# Altium PCB tb212182557.PcbDoc
Units mm, origin at the board's own origin, x right, y up, seen from the top; angles counter-clockwise.
Board outline 55 x 36.92 mm, 2 copper layers (Top Layer, Bottom Layer); 91 components, 58 nets, 277 pads, 126 vias.
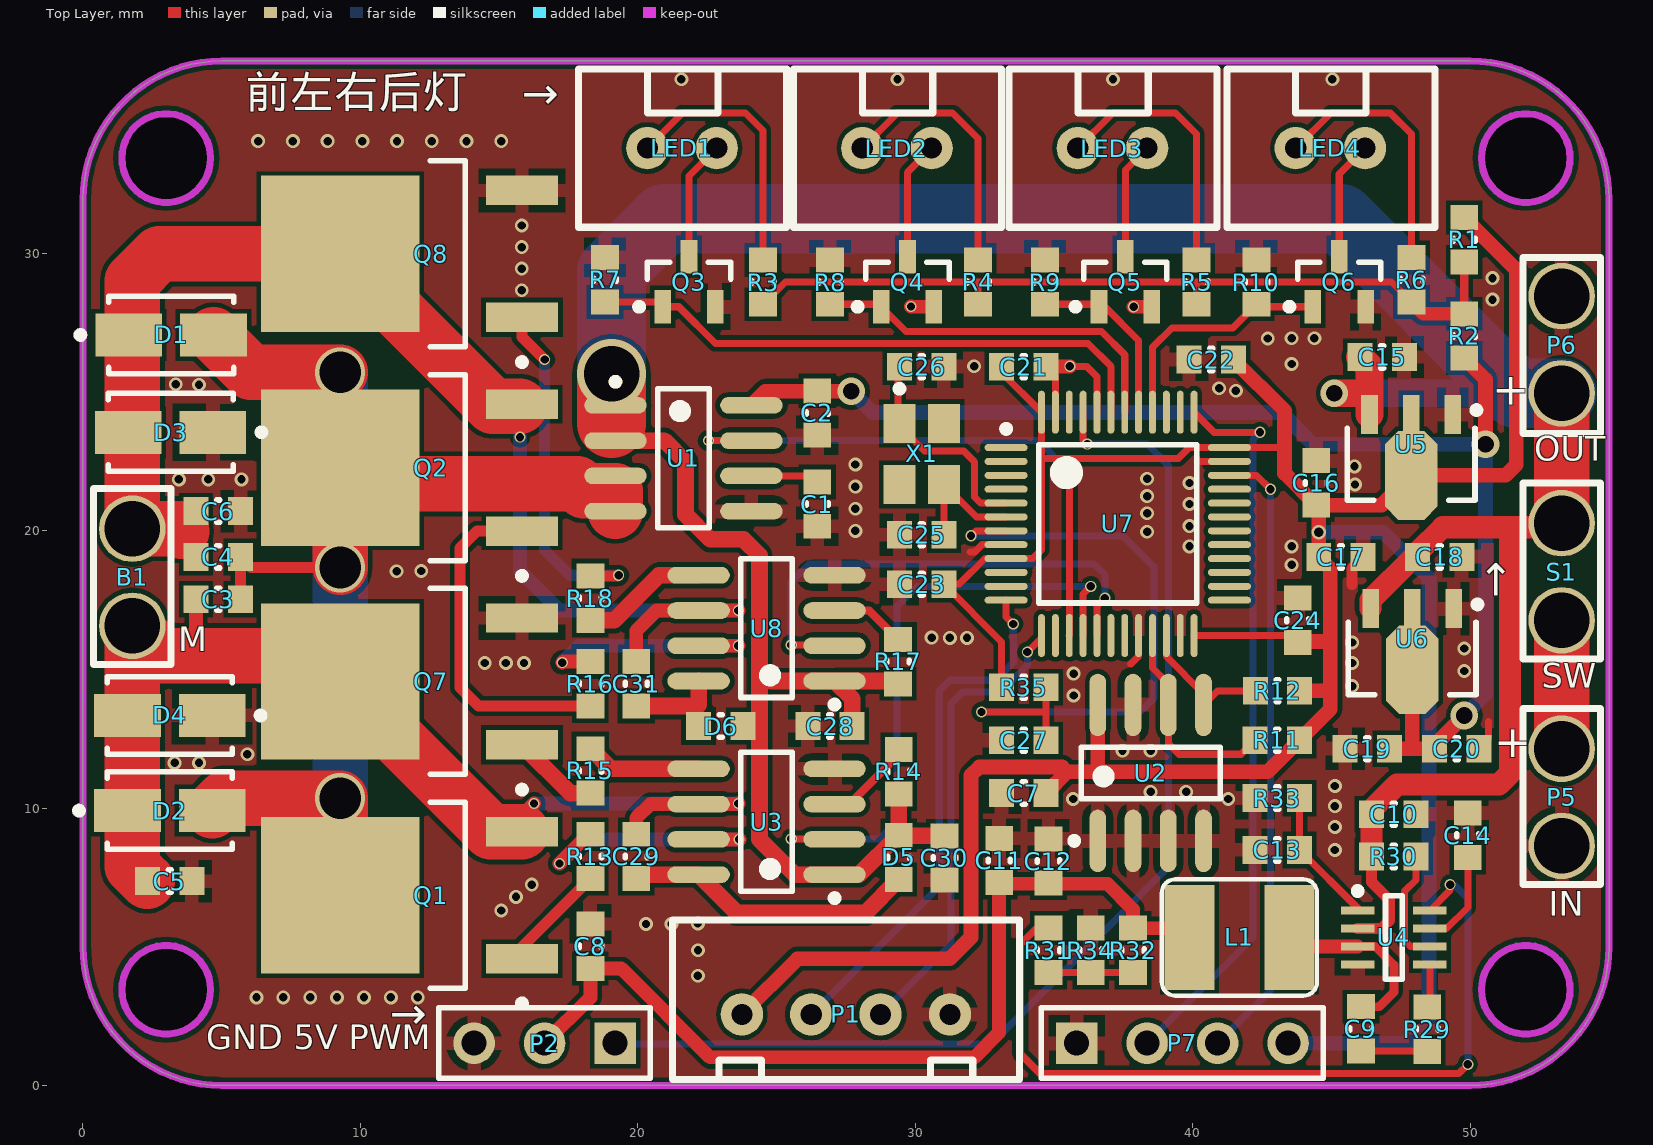
[diagram p0: Top Layer view]
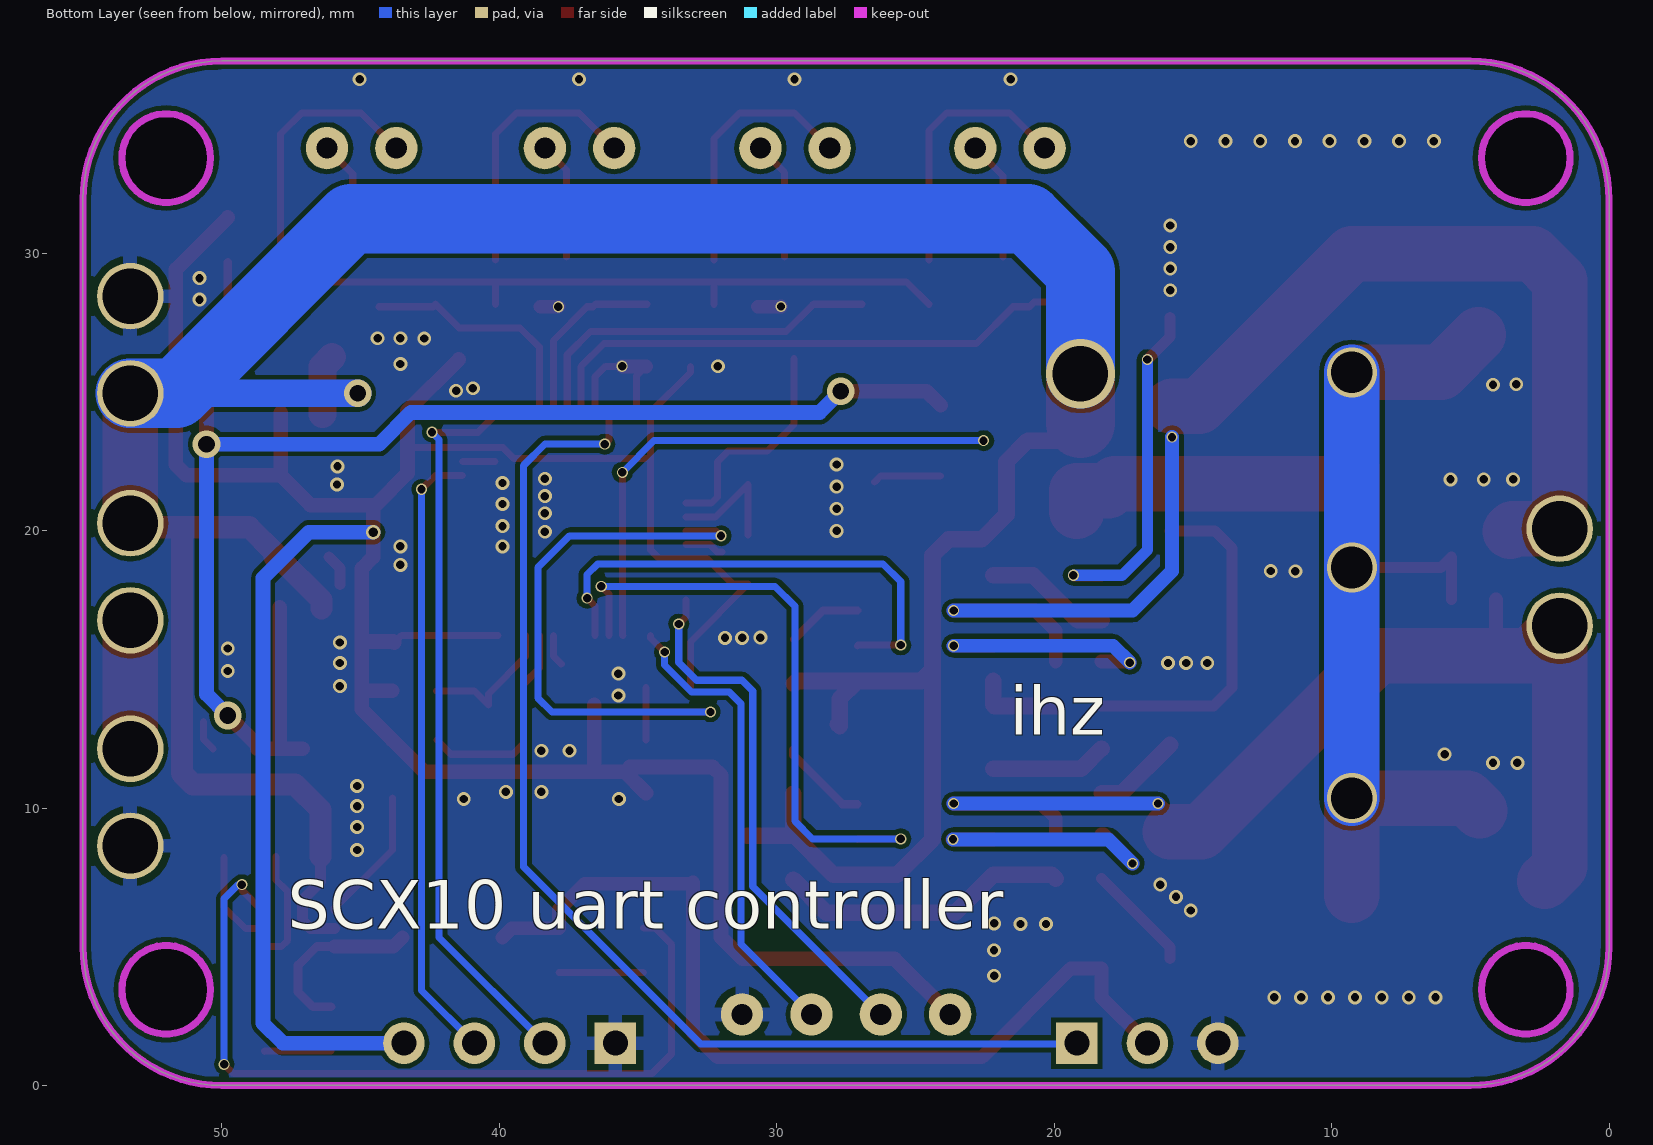
[diagram p1: Bottom Layer view, seen from below]

## Layer stack, top to bottom
Top Solder: solder mask 0.0102, Solder Resist, Dk 3.5
Top Layer: signal copper 0.0356
Dielectric 1: dielectric 0.32, FR-4, Dk 4.8
Bottom Layer: signal copper 0.0356
Bottom Solder: solder mask 0.0102, Solder Resist, Dk 3.5

## Board outline
5,0 cw(c5,5) 0,5 0,31.924 cw(c5,31.924) 5,36.924 50,36.924 cw(c50,31.924) 55,31.924 55,5 cw(c50,5) 50,0
cut-out: 52,31.824 cw(c52,33.424) 50.4,33.424 cw(c52,33.424) 52,35.024 cw(c52,33.424) 53.6,33.424 cw(c52,33.424)
cut-out: 3,31.824 cw(c3,33.424) 1.4,33.424 cw(c3,33.424) 3,35.024 cw(c3,33.424) 4.6,33.424 cw(c3,33.424)
cut-out: 50.4,3.451 ccw(c52,3.451) 52,1.851 ccw(c52,3.451) 53.6,3.451 ccw(c52,3.451) 52,5.051 ccw(c52,3.451)
cut-out: 3,1.851 cw(c3,3.451) 1.4,3.451 cw(c3,3.451) 3,5.051 cw(c3,3.451) 4.6,3.451 cw(c3,3.451)

## Design rules (kind name [scope] priority, off if disabled: settings)
Clearance Clearance_1 [All] p1: gap=0.17 ignorepadtopadclearanceinfootprint=FALSE
Clearance [All vs InPolygon] p2: gap=0.5 ignorepadtopadclearanceinfootprint=FALSE
PolygonConnect [All] p1: connectstyle=Relief reliefconductorwidth=0.5 reliefentries=4 polygonreliefangle="90 Angle" airgapwidth=0.254
RoutingVias [All] p1: holewidth=0.3 width=0.4 viastyle="Through Hole" minholewidth=0.2 minwidth=0.3 maxholewidth=5 maxwidth=5
SolderMaskExpansion [All] p1: expansion=0.102
Width [All] p1: maxlimit=3 minlimit=0.17 preferedwidth=0.254
30 further rules are at their usual default settings.

## Classes and differential pairs
component class SCX10: C21 C22 C23 C24 C25 C26 C27 P7 R35 U7 X1
component class power: C9 C10 C11 C12 C13 C14 C15 C16 C17 C18 C19 C20 L1 P5 P6 R29 R30 R31 R32 R33 R34 S1 U4 U5 U6
component class driver: B1 C1 C2 C3 C4 C5 C6 C7 C8 C28 C29 C30 C31 D1 D2 D3 D4 D5 D6 LED1 LED2 LED3 LED4 P1 P2 Q1 Q2 Q3 Q4 Q5 Q6 Q7 Q8 R1 R2 R3 R4 R5 R6 R7 R8 R9 R10 R11 R12 R13 R14 R15 R16 R17 R18 U1 U2 U3 U8

## Components (designator, comment, footprint, x,y, rotation, side; value= is the part's Value field where it differs from the comment)
B1 "Motor" 7.4V 1.778,16.566 r90 top
C1 "1nF" C0603 26.466,20.955 r90 top value=100pF
C2 "0.1uF" C0603 26.466,24.238 r90 top value=100pF
C3 "10pF" C0603 4.876,17.526 r0 top value=100pF
C4 "10pF" C0603 4.876,19.05 r0 top value=100pF
C5 "10pF" C0603 3.129,7.366 r180 top value=100pF
C6 "10pF" C0603 4.876,20.701 r180 top value=100pF
C7 "0.1uF" C0603 33.908,10.541 r0 top value=100pF
C8 "0.1uF" C0603 18.288,5.02 r270 top value=100pF
C9 "0.1uF" C0603 46.058,2.039 r270 top value=100pF
C10 "22uF" C0603 47.244,9.779 r180 top value=100pF
C11 "22uF" C0603 33.02,8.109 r270 top value=100pF
C12 "22uF" C0603 34.798,8.09 r270 top value=100pF
C13 "1nF" C0603 43.041,8.49 r0 top value=100pF
C14 "0.1uF" C0603 49.911,9.017 r270 top value=100pF
C15 "10uF" C0603 46.822,26.255 r180 top value=100pF
C16 "0.1uF" C0603 44.45,21.717 r270 top value=100pF
C17 "22uF" C0603 45.339,19.05 r180 top value=100pF
C18 "10uF" C0603 48.895,19.05 r180 top value=100pF
C19 "0.1uF" C0603 46.291,12.136 r0 top value=100pF
C20 "22uF" C0603 49.511,12.136 r180 top value=100pF
C21 "0.1uF" C0603 33.909,25.908 r180 top value=100pF
C22 "0.1uF" C0603 40.661,26.162 r0 top value=100pF
C23 "0.1uF" C0603 30.226,18.069 r0 top value=100pF
C24 "0.1uF" C0603 43.778,16.764 r270 top value=100pF
C25 "30pF" C0603 30.226,19.847 r0 top value=100pF
C26 "30pF" C0603 30.226,25.907 r180 top value=100pF
C27 "0.1uF" C0603 33.908,12.446 r0 top value=100pF
C28 "0.1uF" C0603 26.924,12.954 r180 top value=100pF
C29 "1nF" C0603 19.939,8.255 r90 top value=100pF
C30 "0.1uF" C0603 31.049,8.199 r270 top value=100pF
C31 "1nF" C0603 19.939,14.478 r90 top value=100pF
D1 "SS34" SMA 3.179,27.051 r0 top
D2 "SS34" SMA 3.129,9.906 r0 top
D3 "SS34" SMA 3.158,23.542 r180 top
D4 "SS34" SMA 3.129,13.335 r180 top
D5 "1N5819" C0603 29.398,8.219 r270 top
D6 "1N5819" C0603 22.987,12.954 r180 top
L1 "5.5uH" L0420 41.678,5.334 r90 top value=10mH
LED1 "F_LED" XH2.5-2P 21.59,33.782 r0 top
LED2 "L_LED" XH2.5-2P 29.337,33.782 r0 top
LED3 "R_LED" XH2.5-2P 37.104,33.782 r0 top
LED4 "B_LED" XH2.5-2P 44.958,33.782 r0 top
P1 "Header 4" XH2.5-4P 27.496,2.562 r0 top
P2 "Header 3" HDR1X3 19.177,1.524 r180 top
P5 "7.4V" 7.4V 53.292,8.636 r90 top
P6 "7.4V" 7.4V 53.292,28.448 r270 top
P7 "SW" HDR1X4 35.814,1.524 r0 top
Q1 "NMOS" TO-252 12.546,6.858 r180 top
Q2 "NMOS" TO-252 12.546,22.267 r180 top
Q3 "NPN" SOT23-3 21.843,28.967 r90 top
Q4 "NPN" SOT23-3 29.718,28.967 r90 top
Q5 "NPN" SOT23-3 37.568,28.967 r90 top
Q6 "NPN" SOT23-3 45.278,28.967 r90 top
Q7 "NMOS" TO-252 12.546,14.563 r180 top
Q8 "NMOS" TO-252 12.546,29.972 r180 top
R1 "0R" R0603 49.784,30.48 r90 top value=1K
R2 "0R/NC" R0603 49.784,27.013 r90 top value=1K
R3 "2K" R0603 24.511,28.956 r90 top value=1K
R4 "2K" R0603 32.258,28.956 r90 top value=1K
R5 "2K" R0603 40.135,28.956 r90 top value=1K
R6 "2K" R0603 47.879,29.044 r90 top value=1K
R7 "10K" R0603 18.815,29.044 r90 top value=1K
R8 "10K" R0603 26.924,28.956 r90 top value=1K
R9 "10K" R0603 34.674,28.956 r90 top value=1K
R10 "10K" R0603 42.291,28.956 r90 top value=1K
R11 "10K" R0603 43.041,12.446 r0 top value=1K
R12 "10K" R0603 43.053,14.224 r0 top value=1K
R13 "10R" R0603 18.288,8.255 r270 top value=1K
R14 "100K" R0603 29.398,11.305 r90 top value=1K
R15 "10R" R0603 18.288,11.336 r270 top value=1K
R16 "10R" R0603 18.288,14.478 r270 top value=1K
R17 "100K" R0603 29.376,15.278 r90 top value=1K
R18 "10R" R0603 18.288,17.564 r90 top value=1K
R29 "20R" R0603 48.451,2.033 r270 top value=1K
R30 "100K" R0603 47.244,8.255 r180 top value=1K
R31 "20K" R0603 34.798,4.869 r270 top value=1K
R32 "40.2K" R0603 37.846,4.869 r270 top value=1K
R33 "75K" R0603 43.041,10.357 r180 top value=1K
R34 "7.5K" R0603 36.322,4.869 r270 top value=1K
R35 "10K" R0603 33.909,14.351 r180 top value=1K
S1 "SW-PB" 7.4V 53.292,16.764 r90 top
U1 "ACS712" SOP-8 21.64,22.606 r0 top
U2 "24C02" SOP-8 38.481,11.266 r90 top
U3 "IR2104" SOP-8 24.638,9.506 r180 top
U4 "MP2315" TSOT23-8 47.244,5.334 r0 top
U5 "AMS1117-3.3V" SOT-89 47.87,23.114 r270 top
U6 "AMS1117-5V" SOT-89 47.906,16.111 r270 top
U7 "STM32F103C8T6" STM-LQFP48-L 37.296,20.24 r0 top
U8 "IR2104" SOP-8 24.638,16.483 r180 top
X1 "8M" XTAL-8M 30.226,22.762 r270 top

## Footprints (in the part's own frame and the unit in brackets; to place one, negate y for a bottom-side part, rotate by r counter-clockwise, add the part's x,y. Pads: shape width x height; smd on the part's side, far side on the other; paste and mask are expansions set on the pad)
7.4V [mm]
  round 2.4 hole 2: 1(0,0) 2(3.5,0)
  silkscreen extent -1.4,-1.4 4.95,1.4
C0603 [mm]
  rect 0.9x1 smd: 1(-0.8,0) 2(0.8,0)
  silkscreen extent -0.05,-0.4 0.05,0.4, body extent -0.87,-0.48 0.88,0.47, height 1
HDR1X3 [mm] "Connector; Header; 3 Position"
  rect 1.5x1.5 hole 0.9: 1(0,0)
  round 1.5 hole 0.9: 2(2.54,0) 3(5.08,0)
  silkscreen extent -1.27,-1.27 6.35,1.27
HDR1X4 [mm] "Connector; Header; 4 Position"
  rect 1.5x1.5 hole 0.9: 1(0,0)
  round 1.5 hole 0.9: 2(2.54,0) 3(5.08,0) 4(7.62,0)
  silkscreen extent -1.27,-1.27 8.89,1.27
L0420 [mm]
  rect 3.8x1.8 smd: 1(0,-1.8) 2(0,1.8)
  silkscreen extent -2.1,-2.8 2.1,2.8
R0603 [mm]
  rect 0.9x1 smd: 1(-0.8,0) 2(0.8,0)
  silkscreen extent -0.05,-0.4 0.05,0.4, body extent -0.85,-0.47 0.85,0.47, height 0.6
SMA [mm] "DO-214AC, 2-Leads, Body 4.5x2.79mm, IPC Medium Density"
  rect 2.4x1.55 smd: 1(-1.525,0) 2(1.525,0)
  silkscreen extent -3.4,-1.4 2.25,1.4, body extent -2.25,-1.4 2.25,1.39, height 2.29
SOP-8 [mm]
  oval 2.25x0.6 smd: 1(-2.45,1.905) 2(-2.45,0.635) 3(-2.45,-0.635) 4(-2.45,-1.905) 5(2.45,-1.905) 6(2.45,-0.635) 7(2.45,0.635) 8(2.45,1.905)
  silkscreen extent -2.57,-2.5 0.93,2.88, body extent -2,-2.5 2,2.5, height 1.95
SOT23-3 [mm]
  rect 1.2x0.6 smd: 1(-0.9,0.95) 2(-0.9,-0.95) 3(0.9,0)
  silkscreen extent -1.02,-1.5 0.7,1.92, body extent -0.7,-1.52 0.7,1.52, height 1.12
SOT-89 [mm]
  rect 1.4x0.6 smd: 1(-1.075,1.5) 3(-1.075,-1.5)
  rect 1.3x0.6 smd: 2(-1.125,0)
  oct 3.2x1.9 smd: 4(1.125,0)
  silkscreen extent -1.35,-2.3 2.02,2.48, body extent -0.58,-2.3 2.02,2.3, height 1.6
STM-LQFP48-L [mm]
  oval 1.55x0.25 smd: 1(-4.025,2.75) 2(-4.025,2.25) 3(-4.025,1.75) 4(-4.025,1.25) 5(-4.025,0.75) 6(-4.025,0.25) 7(-4.025,-0.25) 8(-4.025,-0.75) 9(-4.025,-1.25) 10(-4.025,-1.75) 11(-4.025,-2.25) 12(-4.025,-2.75) 25(4.025,-2.75) 26(4.025,-2.25) 27(4.025,-1.75) 28(4.025,-1.25) 29(4.025,-0.75) 30(4.025,-0.25) 31(4.025,0.25) 32(4.025,0.75) 33(4.025,1.25) 34(4.025,1.75) 35(4.025,2.25) 36(4.025,2.75)
  oval 0.25x1.55 smd: 13(-2.75,-4.025) 14(-2.25,-4.025) 15(-1.75,-4.025) 16(-1.25,-4.025) 17(-0.75,-4.025) 18(-0.25,-4.025) 19(0.25,-4.025) 20(0.75,-4.025) 21(1.25,-4.025) 22(1.75,-4.025) 23(2.25,-4.025) 24(2.75,-4.025) 37(2.75,4.025) 38(2.25,4.025) 39(1.75,4.025) 40(1.25,4.025) 41(0.75,4.025) 42(0.25,4.025) 43(-0.25,4.025) 44(-0.75,4.025) 45(-1.25,4.025) 46(-1.75,4.025) 47(-2.25,4.025) 48(-2.75,4.025)
  silkscreen extent -4.15,-2.85 2.85,3.55, body extent -3.5,-3.5 3.5,3.5, height 1.6
TO-252 [mm]
  rect 2.6x1.06 smd: 1(-3.275,2.286) 2(-3.275,-2.286)
  rect 5.7x5.632 smd: 3(3.275,0)
  silkscreen extent -3.4,-3.35 0.03,4.02, body extent -3.86,-3.35 6.05,3.35, height 2.39
TSOT23-8 [mm]
  rect 1.2x0.3 smd: 1(-1.3,0.975) 2(-1.3,0.325) 3(-1.3,-0.325) 4(-1.3,-0.975) 5(1.3,-0.975) 6(1.3,-0.325) 7(1.3,0.325) 8(1.3,0.975)
  silkscreen extent -1.42,-1.5 0.3,1.8, body extent -1.4,-1.5 1.4,1.5, height 1
XH2.5-2P [mil]
  round 60 hole 30: 1(-49.21,0) 2(49.21,0)
  silkscreen extent -147,-112 149,112, body extent -109,-65 116,85, height 236
XH2.5-4P [mil]
  round 60 hole 30: 1(-147.64,0) 2(-49.21,0) 3(49.21,0) 4(147.64,0)
  silkscreen extent -246,-93 246,134, body extent -244,-65 248,85, height 236
XTAL-8M [mm]
  rect 1.4x1.15 smd: 1(-1.1,-0.8) 2(1.1,-0.8) 3(1.1,0.8) 4(-1.1,0.8)
  silkscreen extent -2.47,-0.92 -2.23,-0.67, body extent -1.6,-1.25 1.6,1.25, height 0.6

## Part data
B1: "Motor, General Kind", LatestRevisionDate=17-Jul-2002, LatestRevisionNote="Re-released for DXP Platform.", PackageDescription="Capacitor (Radial); 2 Leads", PackageReference=RB5-10.5, Published=24-Mar-1999, Publisher="Altium Limited"
C1 C2 C3 C4 C5 C6 C7 C8 C9 C10 C11 C12 C13 C14 C15 C16 C17 C18 C19 C20 C21 C22 C23 C24 C25 C26 C27 C28 C29 C30 C31: library part Cap, "Capacitor", LatestRevisionDate=17-Jul-2002, LatestRevisionNote="Re-released for DXP Platform.", PackageDescription="Radial Cap, Thru-Hole; 2 Leads; 0.3 in Pin Spacing", PackageReference=RAD-0.3, Published=8-Jun-2000, Publisher="Altium Limited"
D1 D2 D3 D4 D5 D6: library part "Diode 1N4007", "1 Amp General Purpose Rectifier", Code_JEDEC=DO-204-AL, ComponentLink1Description="Manufacturer Link", ComponentLink1URL=http://www.fairchildsemi.com/, ComponentLink2Description=Datasheet, ComponentLink2URL=http://www.fairchildsemi.com/ds/1N%2F1N4001.pdf, DatasheetVersion=1998, LatestRevisionDate=17-Jul-2002, LatestRevisionNote="Re-released for DXP Platform.", PackageDescription="Diode, Axial; Body 5.2 x 2.7 mm (LxDia. max), Lead Dia. 0.86 mm (max)", PackageReference=DO-41, PackageVersion=Aug-1999, Published=8-Jun-2000, Publisher="Altium Limited"
L1: library part Inductor, "Inductor", Code_IEC=1005, Code_JEITA=0402, LatestRevisionDate=29-May-2009, LatestRevisionNote="IPC-7351 Footprint Added.", PackageDescription="Chip Inductor", PackageReference=0402-A, Published=8-Jun-2000, Publisher="Altium Limited"
LED1 LED2 LED3 LED4 P5 P6: library part "Header 2", "Header, 2-Pin", LatestRevisionDate=17-Jul-2002, LatestRevisionNote="Re-released for DXP Platform.", Publisher="Altium Limited"
P1: "Header, 4-Pin", LatestRevisionDate=17-Jul-2002, LatestRevisionNote="Re-released for DXP Platform.", Publisher="Altium Limited"
P2: "Header, 3-Pin", LatestRevisionDate=17-Jul-2002, LatestRevisionNote="Re-released for DXP Platform.", Publisher="Altium Limited"
P7: library part "Header 4", "Header, 4-Pin", LatestRevisionDate=17-Jul-2002, LatestRevisionNote="Re-released for DXP Platform.", Publisher="Altium Limited"
R1 R2 R3 R4 R5 R6 R7 R8 R9 R10 R11 R12 R13 R14 R15 R16 R17 R18 R29 R30 R31 R32 R33 R34 R35: library part Res2, "Resistor", LatestRevisionDate=17-Jul-2002, LatestRevisionNote="Re-released for DXP Platform.", PackageDescription="Axial Device, Thru-Hole; 2 Leads; 0.4 in Pin Spacing", PackageReference=AXIAL-0.4, Published=8-Jun-2000, Publisher="Altium Limited"
S1: "Switch", LatestRevisionDate=17-Jul-2002, LatestRevisionNote="Re-released for DXP Platform.", PackageDescription="Switch; 2 Leads", PackageReference=SPST-2, Published=24-Mar-1999, Publisher="Altium Limited"
U5 U6: library part AMS1117
X1: library part XTAL-8M

## Via types
v1: diameter 0.5, hole 0.3, Top Layer to Bottom Layer, 89 vias
v2: diameter 0.4, hole 0.3, Top Layer to Bottom Layer, 28 vias
v3: diameter 1, hole 0.6, Top Layer to Bottom Layer, 4 vias
v4: diameter 1.8, hole 1.5, Top Layer to Bottom Layer, 3 vias
v5: diameter 2.5, hole 2, Top Layer to Bottom Layer, 1 vias
v6: diameter 0.53, hole 0.35, Top Layer to Bottom Layer, 1 vias

## Nets (pads, with @x,y where several pads share a name; then routed paths per layer and width w, separated by ;. In a path a pad name is that pad's centre, name@x,y a point inside that pad or via, vN(x,y) a via of type N, cw(c..) or ccw(c..) an arc to the next point about the centre after c; other vN are vias at no path point)
3.3V: C7.2 C16.2 C17.2 C21.2 C22.2 C23.2 C24.2 P1.1 P7.4 R1.2 R11.2 R12.2 R35.2 U2.8 U5.2 U5.4 U7.9 U7.24 U7.36 U7.48 | length 123.6
  Top Layer w0.254: R35.2 33.109,15.986 C23.2 31.582,18.069 32.503,18.99 U7.9 34.23,18.99 34.546,19.306 34.546,22.606 ; C21.2 33.109,25.702 U7.48 34.546,22.606 ; U7.24 43.527,16.215 C24.2 ; 43.307,22.987 43.304,22.99 U7.36 39.87,22.99 39.475,22.595 34.557,22.595 34.546,22.606
  Top Layer w0.53: P1.1 25.755,4.572 31.242,4.572 32.004,5.334 32.004,11.176 32.304,11.476 35.297,11.476 35.47,11.303 ; C7.2 35.47,11.303 ; U2.8 36.576,11.303 ; C22.2 43.307,24.316 43.307,22.987 43.307,22.06 C16.2 ; C24.2 43.816,16.002 44.958,16.002 ; R12.2 44.958,14.224 ; U5.2 U5.4 ; R1.2 51.657,29.407 51.657,22.367 51.279,21.989 U5.4 ; 35.47,11.303 36.576,11.303 ; 36.576,11.303 42.698,11.303 R11.2 44.958,13.563 44.958,14.224 ; C16.2 44.539,20.828 v6(44.539,19.939) C17.2 44.958,18.631 44.958,16.002 ; C16.2 46.798,20.917 U5.4 ; 44.958,14.224 44.958,16.002
  Bottom Layer w0.53: P7.4 47.79,1.524 48.514,2.248 48.514,18.288 46.863,19.939 v6(44.539,19.939)
5V: C2.2 C19.2 C20.2 R2.1 U1.8 U6.2 U6.4 | length 49.3
  Top Layer w0.53: U1.8 24.598,25.019 v3(27.686,25.019) ; C19.2 47.901,12.136 ; U6.2 U6.4 47.906,12.142 47.901,12.136 ; v3(49.784,13.335) 48.711,12.262 C20.2 47.901,12.136 ; R2.1 50.546,25.451 v3(50.546,23.114)
  Bottom Layer w0.53: v3(27.686,25.019) 28.448,24.257 43.18,24.257 44.323,23.114 v3(50.546,23.114) 50.546,14.097 v3(49.784,13.335)
7.4V: C10.2 C15.2 C18.2 C28.1 C30.1 D5.1 D6.1 P6.2 R14.1 R17.1 R30.2 S1.2 U1.1 U1.2 U3.1 U4.2 U5.3 U6.3 U8.1 | length 120.7
  Top Layer w0.4: U4.2 46.807,5.659 47.091,5.943 47.091,6.692 46.444,7.339 R30.2
  Top Layer w0.6: U1.2 20.955,23.241 21.717,22.479 21.717,20.574 22.606,19.685 23.808,19.685 24.384,19.109 24.384,14.986 ; C28.1@27.795,13.025 C28.1 27.724,13.942 U8.1 ; R17.1 29.276,14.578 U8.1 ; R14.1 D5.1 ; C30.1 29.417,8.999 D5.1 ; 24.384,14.986 24.384,8.871 25.654,7.601 U3.1 27.966,7.601 29.383,9.019 D5.1 ; 24.384,14.986 24.792,14.578 U8.1
  Top Layer w0.8: U6.3 46.406,17.492 47.964,19.05 C18.2 48.095,19.206 49.009,20.12 51.435,20.12 ; R30.2 C10.2 46.444,9.935 47.358,10.849 51.034,10.849 51.435,11.25 51.435,20.12 ; S1.2 53.292,20.12 51.435,20.12
  Top Layer w1: v3(45.099,24.948) 46.125,24.948 ; C15.2 46.37,25.907 U5.3
  Top Layer w2: S1.2 P6.2
  Top Layer w2.5: 19.05,23.862 v5(19.05,25.654)
  Bottom Layer w1: v3(45.099,24.948) 51.633,24.948
  Bottom Layer w2.5: v5(19.05,25.654) 19.05,29.337 20.955,31.242 45.339,31.242 51.633,24.948 P6.2
B_LED: Q3.1 R7.1 U7.43 | length 20.8
  Top Layer w0.254: R7.1 20.716,28.244 Q3.1 21.473,28.067 22.794,26.746 36.22,26.746 37.046,25.92 U7.43
CH1: U3.2 U7.16 | length 22.6
  Top Layer w0.254: v2(25.527,8.89) 27.069,8.89 U3.2 ; U7.16 36.046,17.714 v2(36.322,17.99)
  Bottom Layer w0.254: v2(25.527,8.89) 28.702,8.89 29.337,9.525 29.337,17.272 30.055,17.99 v2(36.322,17.99)
CH2: U7.17 U8.2 | length 17.9
  Top Layer w0.254: v2(25.527,15.875) 27.061,15.875 U8.2 ; U7.17 36.546,17.28 v2(36.83,17.564)
  Bottom Layer w0.254: v2(25.527,15.875) 25.527,18.161 26.162,18.796 36.449,18.796 36.83,18.415 v2(36.83,17.564)
CH3: U7.18
CH4: U7.19
F_LED: Q6.1 R10.1 U7.40 | length 8.8
  Top Layer w0.254: U7.40 38.546,26.608 39.243,27.305 41.44,27.305 R10.1 42.38,28.067 Q6.1
GND: C1.1 C2.1 C5.1 C6.1 C7.1 C8.1 C10.1 C11.1 C12.1 C13.1 C14.1 C15.1 C16.1 C17.1 C18.1 C19.1 C20.1 C21.1 C22.1 C23.1 C24.1 C25.1 C26.1 C27.1 C28.2 C30.2 D3.1 D4.1 P1.4 P2.3 P5.1 P6.1 P7.1 Q3.2 Q4.2 Q5.2 Q6.2 Q7.2 Q8.2 R7.2 R8.2 R9.2 R10.2 R33.2 R34.1 U1.5 U2.1 U2.2 U2.3 U2.4 U2.7 U3.4 U4.4 U5.1 U6.1 U7.8 U7.20 U7.23 U7.35 U7.44 U7.47 U8.4 | length 12.5
  Top Layer w0.254: 31.97,19.235 32.149,19.235 32.404,19.49 U7.8 ; C21.1 35.046,25.571 U7.47 ; v2(35.568,25.92) 36.169,25.92 36.546,25.543 U7.44 ; 37.763,15.185 38.046,15.468 U7.20 ; 40.159,22.49 U7.35 ; C20.1 50.652,12.477 50.652,13.116
  Top Layer w0.4: 45.738,18.056 45.738,18.649 C17.1
  Top Layer w0.5: v2(29.845,28.073) 29.851,28.067 Q4.2 ; C21.1 35.556,25.908 v2(35.568,25.92) ; v2(37.866,28.067) Q5.2
  other v1: 6.251,3.175 7.22,3.175 8.189,3.175 9.158,3.175 10.127,3.175 11.096,3.175 12.065,3.175 22.16,3.955 22.165,4.875 20.29,5.82 21.209,5.82 22.16,5.842 15.075,6.309 15.604,6.799 16.173,7.239 45.12,8.49 45.12,9.314 45.12,10.067 35.687,10.324 41.275,10.324 38.481,10.584 39.759,10.584 45.12,10.791 3.302,11.627 4.179,11.627 5.926,11.938 37.465,12.065 38.481,12.065 35.705,14.055 45.741,14.395 35.705,14.844 49.784,14.94 14.478,15.229 15.24,15.229 15.892,15.229 45.741,15.229 49.784,15.748 45.741,15.964 31.242,16.131 31.861,16.131 30.587,16.142 11.303,18.532 12.192,18.542 43.561,18.765 39.878,19.431 43.561,19.431 38.354,19.956 27.837,19.99 39.878,20.161 38.354,20.622 27.837,20.787 39.878,20.955 38.354,21.241 27.837,21.584 45.847,21.662 39.878,21.717 3.456,21.844 4.515,21.844 5.715,21.844 38.354,21.867 45.824,22.315 27.837,22.381 41.55,25.038 40.948,25.128 3.344,25.273 4.179,25.253 32.118,25.92 43.561,26.005 42.698,26.924 43.561,26.931 44.382,26.931 50.8,28.321 15.814,28.661 50.8,29.097 15.814,29.439 15.814,30.216 15.814,30.994 6.312,34.036 7.564,34.036 8.816,34.036 10.068,34.036 11.32,34.036 12.571,34.036 13.823,34.036 15.075,34.036 21.567,36.267 29.357,36.267 37.124,36.267 45.03,36.267
L_LED: Q5.1 R9.1 U7.41 | length 6.5
  Top Layer w0.254: R9.1 36.529,28.156 Q5.1 36.83,28.067 38.046,26.851 U7.41
N1: B1.1 C3.1 C5.2 C29.2 D2.1 D4.2 Q1.2 Q7.3 U3.6 | length 41.6
  Top Layer w0.5: 4.064,15.494 4.076,15.506 C3.1 ; Q1.2 15.821,9.725 v2(16.256,10.16) ; C29.2 19.939,9.633 20.447,10.141 U3.6 23.603,10.141 v2(23.622,10.16)
  Top Layer w2: C5.2@2.309,7.366 1.778,7.897 B1.1 2.85,15.494 4.064,15.494 8.34,15.494 Q7.3 14.69,9.144 Q1.2
  Bottom Layer w0.5: v2(16.256,10.16) v2(23.622,10.16)
N2: B1.2 C4.1 C6.2 C31.2 D1.1 D3.2 Q2.2 Q8.3 U8.6 | length 45.8
  Top Layer w0.5: C31.2 19.939,16.383 20.674,17.118 U8.6 v2(23.622,17.118)
  Top Layer w2: 3.556,19.981 3.471,20.066 B1.2 1.778,29.01 2.74,29.972 Q8.3 14.763,24.48 Q2.2@15.748,24.48
  Bottom Layer w0.5: v2(15.748,23.368) 15.748,18.542 17.172,17.118 v2(23.622,17.118)
NetC1_2: C1.2 U1.6 | length 2.5
  Top Layer w0.254: U1.6 26.25,21.971 C1.2
NetC3_2: C3.2 C4.2 D1.2 D2.2 Q1.3 Q2.3 U1.3 U1.4 | length 48.7
  Top Layer w0.4: C3.2 C4.2 6.057,18.669 v4(9.271,18.669)
  Top Layer w2: D2.2 5.105,10.357 v4(9.271,10.357) Q1.3 ; D1.2 6.053,25.702 v4(9.271,25.702) ; v4(9.271,18.669) Q2.3 9.857,21.681 17.809,21.681 18.048,21.442 19.19,21.442 U1.4
  Bottom Layer w2: v4(9.271,10.357) v4(9.271,18.669) v4(9.271,25.702)
NetC9_1: C9.1 L1.1 U4.3 | length 6.6
  Top Layer w0.32: U4.3 46.575,5.009 47.244,4.34 47.244,3.365 46.717,2.839 C9.1
  Top Layer w0.5: L1.1 43.803,5.009 U4.3
NetC9_2: C9.2 R29.2 | length 2.4
  Top Layer w0.254: C9.2 48.446,1.239 R29.2
NetC13_2: C13.2 R33.1 U4.1 | length 4.9
  Top Layer w0.254: R33.1 C13.2 45.944,6.387 U4.1
NetC14_2: C14.2 U4.7 | length 3.5
  Top Layer w0.254: U4.7 49.149,5.659 49.911,6.421 C14.2
NetC29_1: C29.1 D5.2 U3.8 | length 10.6
  Top Layer w0.6: C29.1 20.085,7.601 U3.8 23.566,6.223 28.202,6.223 D5.2
NetC31_1: C31.1 D6.2 U8.8 | length 3.1
  Top Layer w0.6: C31.1 22.149,13.678 22.187,13.716 U8.8 U8.8
NetLED1_1: LED1.1 R3.2 | length 9.6
  Top Layer w0.254: LED1.1 21.61,35.052 23.875,35.052 24.511,34.416 R3.2
NetLED1_2: LED1.2 Q3.3 | length 4.3
  Top Layer w0.254: Q3.3 21.843,32.785 LED1.2
NetLED2_1: LED2.1 R4.2 | length 9.5
  Top Layer w0.254: LED2.1 29.357,35.052 31.341,35.052 32.258,34.135 R4.2
NetLED2_2: LED2.2 Q4.3 | length 4.3
  Top Layer w0.254: Q4.3 29.718,32.913 LED2.2
NetLED3_1: LED3.1 R5.2 | length 9.7
  Top Layer w0.254: LED3.1 37.124,35.052 39.37,35.052 40.135,34.287 R5.2
NetLED3_2: LED3.2 Q5.3 | length 4.2
  Top Layer w0.254: Q5.3 37.568,32.996 LED3.2
NetLED4_1: LED4.1 R6.2 | length 9.5
  Top Layer w0.254: LED4.1 44.978,35.052 47.117,35.052 47.879,34.29 R6.2
NetLED4_2: LED4.2 Q6.3 | length 4.3
  Top Layer w0.254: Q6.3 45.278,32.852 LED4.2
NetP5_2: P5.2 S1.1 | length 4.6
  Top Layer w2: P5.2 S1.1
NetR1_1: R1.1 R2.2 R3.1 R4.1 R5.1 R6.1 | length 29.6
  Top Layer w0.254: R3.1 25.319,28.964 32.258,28.964 ; R4.1 32.258,28.964 ; R5.1 40.135,28.961 40.132,28.964 ; R6.1 47.159,28.964 40.132,28.964 ; 32.258,28.964 40.132,28.964
  Top Layer w0.3: R2.2 R1.1
  Top Layer w0.5: R6.1 48.31,27.813 R2.2
NetR13_1: R13.1 U3.7 | length 9.9
  Top Layer w0.5: v2(17.172,8.001) 18.226,9.055 R13.1 ; U3.7 v2(23.641,8.871) v2@23.664,8.871
  Bottom Layer w0.5: v2(17.172,8.001) 18.042,8.871 v2(23.641,8.871)
NetR14_2: R14.2 U3.3 | length 3.2
  Top Layer w0.3: U3.3 27.632,10.141 29.398,11.907 R14.2
NetR15_1: R15.1 U3.5 | length 4.2
  Top Layer w0.6: R15.1 18.303,12.136 19.028,11.411 U3.5
NetR16_1: R16.1 U8.7 | length 9.1
  Top Layer w0.5: v2(17.272,15.24) 17.31,15.278 R16.1 ; U8.7 v2(23.622,15.848)
  Bottom Layer w0.5: v2(17.272,15.24) 17.88,15.848 v2(23.622,15.848)
NetR17_2: R17.2 U8.3 | length 2.7
  Top Layer w0.3: U8.3 28.336,17.118 R17.2
NetR18_1: R18.1 U8.5 | length 4.6
  Top Layer w0.6: R18.1 19.139,16.764 20.763,18.388 U8.5
NetR29_1: R29.1 U4.5 | length 1.6
  Top Layer w0.254: R29.1 48.544,2.926 U4.5
NetR30_1: R30.1 U4.6 | length 4.2
  Top Layer w0.254: R30.1 48.044,7.407 47.622,6.985 47.622,5.232 47.845,5.009 U4.6
NetR31_1: R31.1 U4.8 | length 29.8
  Top Layer w0.254: R31.1 34.371,5.669 33.782,5.08 33.782,1.143 34.501,0.424 49.573,0.424 v2(49.911,0.762) ; U4.8 49.276,7.041 v2(49.276,7.239)
  Bottom Layer w0.254: v2(49.276,7.239) 49.403,7.239 49.911,6.731 v2(49.911,0.762)
NetR31_2: R31.2 R32.2 R34.2 | length 3
  Top Layer w0.254: R31.2 R34.2 R32.2
OSC_I: C26.2 U7.5 X1.1 | length 8.2
  Top Layer w0.254: C26.2@29.376,26.197 29.376,23.817 30.328,22.865 31.745,22.865 32.131,22.479 32.131,21.209 32.35,20.99 U7.5
OSC_O: C25.2 U7.6 X1.3 | length 4.5
  Top Layer w0.254: C25.2 X1.3 32.198,20.49 U7.6
PWM1: Q1.1 R13.2 | length 3.9
  Top Layer w0.4: Q1.1 15.821,4.988 R13.2
PWM2: Q7.1 R15.2 | length 3.2
  Top Layer w0.6: Q7.1 17.562,10.536 R15.2
PWM3: Q8.1 R18.2 | length 12.8
  Top Layer w0.4: Q8.1 15.821,26.978 v2(16.637,26.162) ; R18.2 19.28,18.364 v2(19.304,18.388)
  Bottom Layer w0.4: v2(16.637,26.162) 16.637,19.304 17.553,18.388 v2(19.304,18.388)
PWM4: Q2.1 R16.2 | length 12.5
  Top Layer w0.4: Q2.1 14.207,19.981 13.589,19.363 13.589,14.351 14.262,13.678 R16.2
R_LED: Q4.1 R8.1 U7.42 | length 13.4
  Top Layer w0.254: R8.1 28.679,28.156 Q4.1 29.665,27.17 36.711,27.17 37.546,26.335 U7.42
RES: C27.2 R35.1 U7.7 | length 23.8
  Top Layer w0.254: v2(32.004,19.812) 32.182,19.99 U7.7 ; v2(32.385,13.462) 34.709,13.462 ; C27.2 34.709,13.462 ; R35.1 34.709,13.462
  Bottom Layer w0.254: v2(32.004,19.812) 37.465,19.812 38.608,18.669 38.608,13.97 38.1,13.462 v2(32.385,13.462)
RX: P1.3 U7.13 | length 16.9
  Top Layer w0.254: v2(34.036,15.621) 34.546,16.131 U7.13
  Bottom Layer w0.254: P1.3 31.285,5.102 31.285,13.759 31.707,14.181 33.069,14.181 34.036,15.148 v2(34.036,15.621)
SCL: R11.1 U2.6 U7.21 | length 7.6
  Top Layer w0.254: U7.21 38.546,15.048 39.116,14.478 U2.6 39.116,12.319 39.497,11.938 41.733,11.938 R11.1
SDA: R12.1 U2.5 U7.22 | length 5.1
  Top Layer w0.254: U7.22 39.046,15.455 40.386,14.115 U2.5 40.894,14.224 R12.1
steer_5V: C8.2 C11.2 C12.2 L1.2 P2.2 R32.1 | length 33.3
  Top Layer w0.5: P2.2 18.288,3.175 C8.2 19.402,4.22 22.606,1.016 32.131,1.016 33.02,1.905 C11.2 33.058,7.271 36.925,7.271 37.846,6.35 R32.1 39.543,5.669 L1.2
steer_PWM: P2.1 U7.45 | length 41.5
  Top Layer w0.254: U7.45 36.046,23.263 v2(36.195,23.114)
  Bottom Layer w0.254: P2.1 19.198,1.503 32.745,1.503 39.116,7.874 39.116,22.352 38.354,23.114 v2(36.195,23.114)
SWD: P7.3 U7.34 | length 22.4
  Top Layer w0.254: U7.34 42.299,21.99 v2(42.799,21.49)
  Bottom Layer w0.254: P7.3 42.799,3.429 v2(42.799,21.49)
SWK: P7.2 U7.37 | length 26.4
  Top Layer w0.254: U7.37 40.769,23.542 v2(42.418,23.542)
  Bottom Layer w0.254: P7.2 42.164,5.334 42.164,23.288 v2(42.418,23.542)
TX: P1.2 U7.12 | length 19
  Top Layer w0.254: U7.12 33.271,16.89 v2(33.528,16.633)
  Bottom Layer w0.254: P1.2 30.861,7.178 30.861,14.224 31.242,14.605 32.893,14.605 33.528,15.24 v2(33.528,16.633)
Vim_OUT: U1.7 U7.15 | length 20.9
  Top Layer w0.254: v2(22.542,23.241) U1.7 ; U7.15 35.56,16.229 v2(35.56,22.098)
  Bottom Layer w0.254: v2(22.542,23.241) 34.417,23.241 v2(35.56,22.098)
pads on no net: U7.1 U7.2 U7.3 U7.4 U7.10 U7.11 U7.14 U7.25 U7.26 U7.27 U7.28 U7.29 U7.30 U7.31 U7.32 U7.33 U7.38 U7.39 U7.46 X1.2 X1.4

## Polygon pours and split planes (outlines as drawn)
GND on Bottom Layer "Bottom Layer-GND" (solid, remove dead copper, pour order 14): 0,0 0,36.924 55,36.924 55,0
GND on Top Layer "Top Layer-GND" (solid, remove dead copper, pour order 12): 0,0 0,36.924 55,36.924 54.991,36.915 54.991,0

## Keep-outs
Keep-Out Layer:
  circle w0.254: c3,3.451 r1.6
  circle w0.254: c52,3.451 r1.6
  circle w0.254: c52,33.424 r1.6
  circle w0.254: c3,33.424 r1.6
  lines w0.254: 0,5 ccw(c5,5) 5,0 50,0 ccw(c50,5) 55,5 55,31.924 ccw(c50,31.924) 50,36.924 5,36.924 ccw(c5,31.924) 0,31.924 0,5

## Silkscreen, mask and mechanical layers (free items; w line width, h text height)
Top Overlay:
  text "前左右后灯" at 5.842,34.842 h2
  text "→" at 15.814,34.798 h2
  text "+" at 50.8,24.13 h2
  text "OUT" at 52.312,22.225 h1.5
  text "→" at 51.816,17.564 h2 r90
  text "M" at 3.429,15.367 h1.5
  text "SW" at 52.578,14.055 h1.5
  text "+" at 50.869,11.43 h2
  text "IN" at 52.832,5.82 h1.5
  text "→" at 11.049,1.651 h2
  text "GND 5V PWM" at 4.445,1.016 h1.5
Bottom Overlay:
  text "ihz" at 21.59,12.065 h3
  text "SCX10 uart controller" at 47.625,5.08 h3